# KiCad board panel.kicad_pcb (continued)
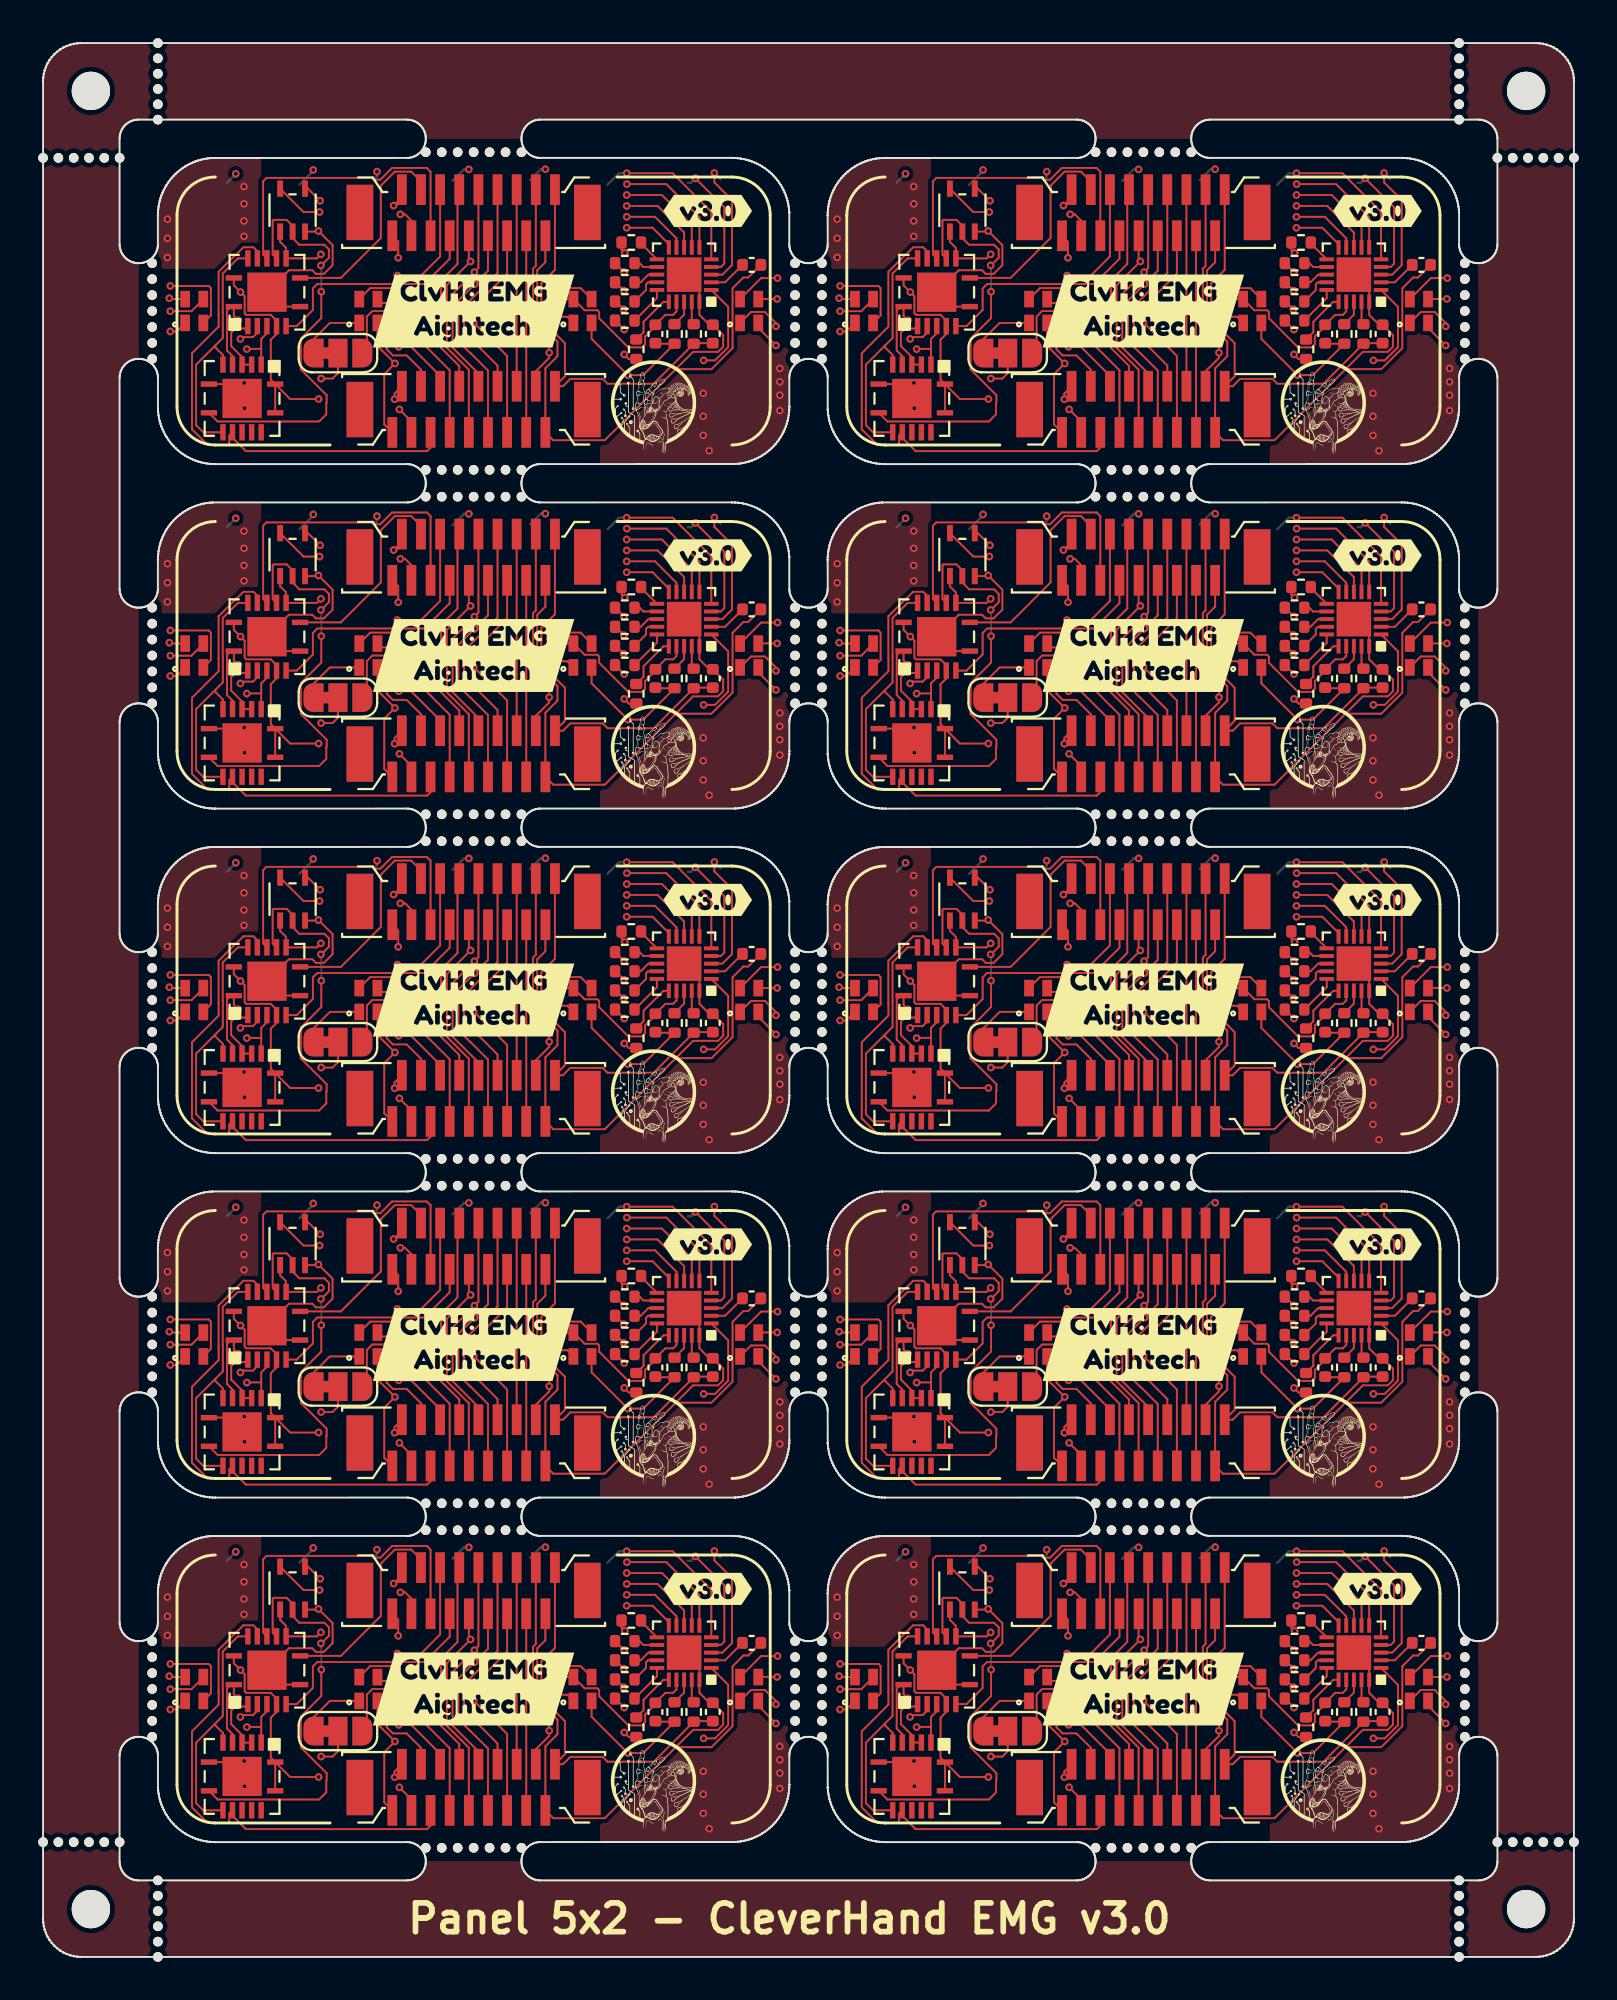
[diagram p0: board, top side]
## Routing (per net, layer and track width the routed paths; a pad name or vN(x,y) marks a point on that pad's centre or on a via; arc(x,y) is an arc through that point) (continued)
  In2.Cu w0.1: v1(18.51,69.85) 16.97,71.39 14.1,71.39 11.15,68.44 11.15,67.1 10.59,66.54 v1(10.31,66.54)
Board_2-/S2: length 16.7
  Front w0.1: J2#6.14 20.25,75.28 20.05,75.47 18.24,75.47 17.62,74.86 17.28,74.86 17.18,74.95 11.67,74.95 11.5,74.78 11.5,70.95 U2#4.11
Board_2-/S3: length 10.9
  Front w0.1: J2#6.15 19.75,74.77 19.24,75.28 18.38,75.28 17.65,74.55 17.65,71.82 15.56,69.73 U2#4.8
Board_2-/SCK: length 20.2
  Front w0.1: v1(30.36,70.04) 29.9,70.5 R5#5.2 ; J2#6.10 22.25,70.68 v1(22.34,70.59) 21.1,69.35 21.1,66.08 22.25,64.93 J1#9.9
  In2.Cu w0.1: v1(22.34,70.59) 22.37,70.56 28.34,70.56 28.86,70.04 v1(30.36,70.04)
Board_2-/SDI: length 20.2
  Front w0.1: J2#6.9 22.75,70.24 v1(22.54,70.03) 21.4,68.89 21.4,66.09 22.75,64.74 J1#9.10 ; R4#4.2 29.91,69.5 v1(30.35,69.06)
  In2.Cu w0.1: v1(22.54,70.03) 28.37,70.03 29.34,69.06 v1(30.35,69.06)
Board_2-/SDO: length 20.5
  Front w0.1: J1#9.11 23.25,64.89 22.34,65.8 22.33,65.8 21.7,66.43 21.7,68.55 v1(22.56,69.41) 23.25,70.1 J2#6.8 ; v1(30.34,68.09) 29.93,68.5 R3#6.2
  In2.Cu w0.1: v1(22.56,69.41) 27.72,69.41 29.04,68.09 v1(30.34,68.09)
Board_2-GND: length 29.1
  Front w0.1: U4#7.15 10.4,64.13 v1(10.51,64.24) ; U4#7.15 9.65,64.18 U4#7.7 ; U4#7.15 10.4,63.05 v1(10.53,62.92) ; v1(38.38,69.72) 37.52,69.72 D4#8.4 ; v1(18.5,68.99) 18.3,69.19 17.1,69.19 D2.4 ; v1(26.5,68.3) 26.82,68.62 D3#2.4 28.3,68.04 28.97,68.04 29.06,67.95 29.06,67.62 30.58,66.1 31.3,66.1 31.46,66.26 31.46,66.67 32,67.21 C2#9.2 32.52,67.8 32.93,67.8 33.1,67.97 U1#9.17 ; 7.42,68.62 6.64,68.62 v1(6.6,68.67) ; J1#9.2 18.37,63.69 v1(18.37,63.39) ; U5#6.3 14.36,72.15 v1(14.39,72.18) 15.13,71.44 15.13,70.4 14.67,69.94 14.26,69.94 14.07,70.13 12.85,70.13 U2#4.15 12.45,68.23 13.11,68.23 ; v1(18.32,73.51) 18.75,73.94 J2#6.17
  vias: v1(6.5,72.8) v1(6.5,71.8) v1(6.5,70.8) v1(10.5,74.5) v1(10.5,73.6) v1(10.5,72.7) v1(10.5,71.9) v1(34.5,63.7) v1(34.5,62.5) v1(34.5,61.5) v1(34.81,60.7) v1(38.5,65) v1(38.5,64.3) v1(38.5,63.6) v1(38.5,62.8)
Board_2-GNDA: length 35.9
  Front w0.1: J2#6.2 26.25,70.55 25.82,70.12 25.82,67.46 26.88,66.4 26.88,65.64 26.25,65.01 J1#9.17 26.66,61.25 29.35,61.25 33.97,65.87 35.27,65.87 35.54,66.13 35.54,66.74 C1#5.1 34.82,67.28 34.3,67.8 U1#9.20 34.3,69.1 U1#9.21 ; 33.08,64.96 34.93,64.96 36.03,66.06 36.03,69.19 36.6,69.75 36.85,69.75 C3#5.2
Board_2-Net-(D1-Pad3): length 13.4
  Front w0.1: v1(6.65,67.99) 7.76,67.99 8.38,68.61 D1#2.3 ; JP1#5.2 15.41,64.75 15.13,64.47 v1(14.53,64.47)
  In2.Cu w0.1: v1(6.65,67.99) 9.98,64.66 14.34,64.66 v1(14.53,64.47)
Board_2-Net-(D2-Pad1): length 3.5
  Front w0.1: JP1#5.1 14.11,66.5 14.99,67.38 D2.1
Board_2-Net-(D2-Pad3): length 10.8
  Front w0.1: v1(26.5,67.7) 27.39,67.7 D3#2.1 ; v1(18.61,68.42) 17.68,68.42 D2.3
  In2.Cu w0.1: v1(26.5,67.7) 26.2,68 19.03,68 v1(18.61,68.42)
Board_2-Net-(D3-Pad3): length 18.2
  Front w0.1: D4#8.1 37,67.95 37.72,67.95 38.3,67.37 v1(38.3,67.2) ; 28.66,68.62 28.09,69.19 26.79,69.19 v1(26.5,68.9)
  In2.Cu w0.1: v1(26.5,68.9) 27.88,67.52 31.14,67.52 31.98,68.36 37.14,68.36 v1(38.3,67.2)
Board_2-Net-(J1-Pad8): length 11.1
  Front w0.1: J1#9.8 21.75,65.12 20.8,66.07 20.8,69.6 21.66,70.46 21.66,74.25 J2#6.11
Board_2-Net-(J1-Pad14): length 10.3
  Front w0.1: J1#9.14 J2#6.5
Board_2-Net-(J1-Pad15): length 10.3
  Front w0.1: J1#9.15 J2#6.4
Board_2-Net-(R1-Pad1): length 2.8
  Front w0.1: R1#9.1 31.38,66.89 31.38,67.44 32.42,68.48 U1#9.16
Board_2-Net-(R2-Pad1): length 2.1
  Front w0.1: R2#5.1 32.08,68.67 U1#9.15
Board_2-Net-(R3-Pad1): length 1.8
  Front w0.1: U1#9.14 31.62,69.5 31.51,69.39 31.51,69.1 R3#6.1
Board_2-Net-(R4-Pad1): length 1.3
  Front w0.1: R4#4.1 31.23,69.5 31.63,69.9 U1#9.13
Board_2-Net-(R5-Pad1): length 1.3
  Front w0.1: U1#9.12 31.37,70.3 31.17,70.5 R5#5.1
Board_2-Net-(R6-Pad1): length 1.2
  Front w0.1: U1#9.11 31.25,71.53 R6#5.1
Board_2-Net-(R7-Pad1): length 1.2
  Front w0.1: R7#2.1 33.9,67.41 U1#9.19
Board_2-Net-(R8-Pad1): length 1.4
  Front w0.1: U1#9.18 33.5,67.81 R8#5.1
Board_2-Net-(U1-Pad2): length 2
  Front w0.1: U1#9.2 35.64,69.5 C3#5.1
Board_3-+3.3V: length 77.7
  Front w0.1: v1(49.45,73.17) 48.61,73.17 U5#9.5 ; U4#10.1 U4#10.14 ; U4#10.1 47.91,63.4 v1(49.4,63.4) ; U4#10.1 46.9,64.41 46.9,66.5 47.2,66.8 47.2,67.5 46.9,67.8 45.62,67.8 45.53,67.88 45.53,68.78 v1(45.32,68.99) 44.97,69.34 U2#2.14 ; D2#9.2 52.48,66.17 v1(53.39,65.26) 52.83,64.7 52.83,62.08 J1#3.1 ; J2.18 53.56,71.62 v1(53.56,70.78) ; v1(73.3,66.2) 72.35,67.15 72.35,67.35 ; C2#5.1 67.03,66.29 R8#4.2 66.36,64.65 v1(65.56,64.65) 63.66,66.55 D3.2 ; D1#7.2 43.77,67.77 43.77,69.19 43.66,69.31 v1(41.65,69.31)
  In2.Cu w0.1: v1(49.4,63.4) 51.53,63.4 v1(53.39,65.26) 53.39,64.09 54.36,63.12 64.3,63.12 65.56,64.38 v1(65.56,64.65) 65.58,64.63 71.73,64.63 v1(73.3,66.2) ; v1(41.65,69.31) 45,69.31 v1(45.32,68.99) 45.32,69.04 v1(49.45,73.17) 51.17,73.17 v1(53.56,70.78)
Board_3-+3.3VA: length 20.7
  Front w0.1: C1#8.2 69.03,66.32 R7#9.2 66.91,64.2 64.5,64.2 64.25,64.45 62.55,64.45 62.17,64.07 J1#3.18 62.27,64.59 62.27,66.32 61.04,67.55 61.04,69.44 61.75,70.15 J2.1
Board_3-/A0: length 17.8
  Front w0.1: J1#3.7 56.25,64.9 54.45,66.7 v1(53.43,66.7) ; 46.4,66.02 45.66,66.02 v1(45.65,66.01) ; 46.4,66.02 46.4,66.54 46.7,66.84 U2#2.4 ; 46.4,66.02 U4#10.2
  In2.Cu w0.1: v1(53.43,66.7) 51.45,66.7 50.85,66.1 45.74,66.1 v1(45.65,66.01)
Board_3-/A1: length 18.5
  Front w0.1: v1(53.59,66.13) 54.24,66.13 55.75,64.62 J1#3.6 ; v1(45.2,67.51) 44.97,67.74 U2#2.1 44.82,68.23 44.61,68.02 44.61,65.94 44.9,65.65 U4#10.5
  In2.Cu w0.1: v1(53.59,66.13) 52.04,66.13 51.31,65.4 45.39,65.4 44.88,65.91 44.88,67.19 v1(45.2,67.51)
Board_3-/A2: length 26.6
  Front w0.1: J1#3.5 55.25,60.86 55.07,60.68 45.6,60.68 44.9,61.38 U4#10.10 44.73,61.49 44.73,61.05 44.68,61 43.6,61 42.78,61.82 42.78,65.79 44.18,67.19 44.18,67.85 44.17,67.85 44.17,70.05 45.09,70.97 45.11,70.97 45.47,71.33 45.99,71.33 46.2,71.12 U2#2.12
Board_3-/A3: length 16.2
  Front w0.1: v1(53.63,67.28) 53.25,67.28 53.21,67.24 53.21,67.24 52.96,66.99 52.96,66 53.28,65.68 54,65.68 54.75,64.93 J1#3.4 ; v1(49.52,70.96) 49.31,70.75 U2#2.9 47.7,71.3 47.39,71.61 47.39,72.01
  In2.Cu w0.1: v1(53.63,67.28) 53.58,67.23 50.03,67.23 49.02,68.24 49.02,70.47 49.51,70.96 v1(49.52,70.96)
Board_3-/carry0: length 3.4
  Front w0.1: U2#2.2 45.58,67.09 45.05,67.09 44.83,66.87 44.83,66.17 45.4,65.6 U4#10.4 U4#10.3
Board_3-/carry1: length 12.9
  Front w0.1: 44,66.2 44.39,66.59 44.39,67.94 44.39,67.94 44.39,69.96 45.18,70.75 U2#2.13 ; 44,66.2 44,66.1 44.4,65.7 U4#10.6 ; 44,66.2 43,65.2 43,62.03 43.37,61.66 U4#10.9
Board_3-/carry2: length 22.5
  Front w0.1: U2#2.10 47,70.95 47,72.71 47.05,72.76 47.73,72.76 48.04,72.45 48.04,72.01 ; U4#10.8 44.12,62.23 49.43,62.23 49.8,62.6 49.8,63.21 49.82,63.23 49.82,63.6 48.47,64.95 48.47,66.56 49.54,67.63 v1(49.54,69.01) ; v1(49.52,70.38) 49.53,70.38 49.94,70.79 49.94,71.22 49.7,71.46 48.39,71.46 48.04,71.81 U5#9.2
  Back w0.1: v1(49.54,69.01) 49.54,70.36 v1(49.52,70.38)
Board_3-/CH0: length 6.9
  Front w0.1: U1#6.3 70.5,69.9 71,70.4 71,73.8 70.08,74.72 v1(70.08,75.21)
  Back w0.127: v1(70.08,75.21) 70.4,74.89
Board_3-/CH1: length 6.3
  Front w0.1: v1(69.09,74.93) 70.6,73.42 70.6,70.47 70.43,70.3 U1#6.4
  Back w0.127: 68.7,74.7 68.86,74.7 v1(69.09,74.93)
Board_3-/CH2: length 9
  Front w0.1: U1#6.5 69.92,73.18 67.9,75.2 v1(65.5,75.2)
  Back w0.127: 64.5,74.6 65.1,75.2 v1(65.5,75.2)
Board_3-/CH3: length 11.7
  Front w0.1: U1#6.6 69.3,72.9 67.57,74.63 v1(65.51,74.63)
  In2.Cu w0.1: v1(65.51,74.63) 65.48,74.6 62.06,74.6 v1(61.25,75.41)
  Back w0.127: 60.45,74.85 61.01,75.41 v1(61.25,75.41)
Board_3-/CH4: length 15.2
  Front w0.1: v1(65.5,74.06) 67.34,74.06 68.9,72.5 U1#6.7
  In2.Cu w0.1: v1(65.5,74.06) 65.44,74 61.67,74 60.21,75.46 57.31,75.46 v1(57.25,75.4)
  Back w0.127: v1(57.25,75.4) 57,75.4 56.4,74.8
Board_3-/CH5: length 18.6
  Front w0.1: v1(65.5,73.49) 67.11,73.49 68.5,72.1 U1#6.8
  In2.Cu w0.1: v1(65.5,73.49) 65.41,73.4 61.8,73.4 60.24,74.96 52.77,74.96 v1(52.45,75.28)
  Back w0.127: 52.39,74.97 52.45,75.03 v1(52.45,75.28)
Board_3-/CH6: length 22.1
  Front w0.1: v1(65.5,72.92) 66.98,72.92 68.1,71.8 U1#6.9
  In2.Cu w0.1: v1(65.5,72.92) 65.38,72.8 61.6,72.8 59.66,74.74 49.75,74.74 v1(49.12,75.37)
  Back w0.127: 48.4,74.6 49.12,75.32 v1(49.12,75.37)
Board_3-/CH7: length 25.2
  Front w0.1: v1(65.5,72.35) 66.85,72.35 67.7,71.5 U1#6.10
  In2.Cu w0.1: v1(65.5,72.35) 65.35,72.2 61.25,72.2 58.92,74.53 49.17,74.53 48.4,75.3 45.2,75.3 v1(45.07,75.17)
  Back w0.127: v1(45.07,75.17) 44.6,74.7
Board_3-/CH_REF: length 24.4
  Front w0.1: J1#3.16 60.75,64.85 61.45,65.55 v1(61.45,65.82) 61.45,66.52 60.61,67.37 60.61,70.21 60.75,70.36 J2.3 ; U1#6.1 70.8,68.22 70.8,66.11 70.11,65.42 v1(69.52,65.42)
  In2.Cu w0.1: v1(61.45,65.82) 62.19,65.08 69.18,65.08 v1(69.52,65.42)
Board_3-/cs_adc: length 19
  Front w0.1: R6#7.2 65.23,71.2 v1(65.4,71.03) ; v1(49.48,73.76) 48.85,74.39 U5#9.4
  In2.Cu w0.1: v1(65.4,71.03) 65.05,71.38 56.15,71.38 53.6,73.93 53.15,73.93 52.82,73.6 49.64,73.6 v1(49.48,73.76)
Board_3-/IRQ: length 20.4
  Front w0.1: J2.6 59.25,69.95 57.5,68.2 v1(57.5,67.4) 59.25,65.65 J1#3.13 ; v1(65.37,67.03) 64.9,67.5 R2#8.2
  In2.Cu w0.1: v1(65.37,67.03) 65.2,67.2 57.7,67.2 v1(57.5,67.4)
Board_3-/MCLK: length 20.6
  Front w0.1: v1(65.37,65.73) 65.61,65.49 R1#4.2 ; J1#3.12 58.75,65.15 v1(57.5,66.4) 57,66.9 57,68.24 58.75,69.99 J2.7
  In2.Cu w0.1: v1(65.37,65.73) 64.7,66.4 v1(57.5,66.4)
Board_3-/NEO_IN: length 17.9
  Front w0.1: v1(53.62,62.86) 54.25,62.23 J1#3.3 ; D1#7.1 41.98,66.93 v1(41.65,66.93)
  In2.Cu w0.1: v1(41.65,66.93) 42.22,66.93 48.43,60.72 51.48,60.72 v1(53.62,62.86)
Board_3-/NEO_OUT: length 34.6
  Front w0.1: v1(53.67,73.05) 53.92,73.05 54.25,72.72 J2.16 ; JP1#4.3 51.92,66.01 51.92,67.71 52.21,68 53.03,68 53.19,67.84 v1(53.41,67.84) ; v1(73.36,68.63) 72.38,68.63 D4#3.3
  In2.Cu w0.1: v1(53.41,67.84) 52.96,68.29 52.96,69.27 53.1,69.41 54.1,69.41 54.49,69.8 54.49,72.23 v1(53.67,73.05) 55.53,71.19 63.54,71.19 64.16,70.57 65.97,70.57 67.89,68.65 73.34,68.65 v1(73.36,68.63)
Board_3-/S0: length 11.9
  Front w0.1: U2#2.6 48.26,67.21 49.1,68.05 49.1,69.18 49.33,69.41 54.93,69.41 56.25,70.73 J2.12
Board_3-/S1: length 19.1
  Front w0.1: v1(53.51,69.85) 54.75,69.85 55.75,70.85 J2.13 ; v1(45.31,66.54) 45.41,66.64 45.97,66.64 46.2,66.87 U2#2.3
  In2.Cu w0.1: v1(53.51,69.85) 51.97,71.39 49.1,71.39 46.15,68.44 46.15,67.1 45.59,66.54 v1(45.31,66.54)
Board_3-/S2: length 16.7
  Front w0.1: J2.14 55.25,75.28 55.05,75.47 53.24,75.47 52.62,74.86 52.28,74.86 52.18,74.95 46.67,74.95 46.5,74.78 46.5,70.95 U2#2.11
Board_3-/S3: length 10.9
  Front w0.1: J2.15 54.75,74.77 54.24,75.28 53.38,75.28 52.65,74.55 52.65,71.82 50.56,69.73 U2#2.8
Board_3-/SCK: length 20.2
  Front w0.1: v1(65.36,70.04) 64.9,70.5 R5.2 ; J2.10 57.25,70.68 v1(57.34,70.59) 56.1,69.35 56.1,66.08 57.25,64.93 J1#3.9
  In2.Cu w0.1: v1(57.34,70.59) 57.37,70.56 63.34,70.56 63.86,70.04 v1(65.36,70.04)
Board_3-/SDI: length 20.2
  Front w0.1: J2.9 57.75,70.24 v1(57.54,70.03) 56.4,68.89 56.4,66.09 57.75,64.74 J1#3.10 ; R4#6.2 64.91,69.5 v1(65.35,69.06)
  In2.Cu w0.1: v1(57.54,70.03) 63.37,70.03 64.34,69.06 v1(65.35,69.06)
Board_3-/SDO: length 20.5
  Front w0.1: J1#3.11 58.25,64.89 57.34,65.8 57.33,65.8 56.7,66.43 56.7,68.55 v1(57.56,69.41) 58.25,70.1 J2.8 ; v1(65.34,68.09) 64.93,68.5 R3#7.2
  In2.Cu w0.1: v1(57.56,69.41) 62.72,69.41 64.04,68.09 v1(65.34,68.09)
Board_3-GND: length 29.1
  Front w0.1: U4#10.15 45.4,64.13 v1(45.51,64.24) ; U4#10.15 44.65,64.18 U4#10.7 ; U4#10.15 45.4,63.05 v1(45.53,62.92) ; v1(73.38,69.72) 72.52,69.72 71.42,68.62 ; v1(53.5,68.99) 53.3,69.19 52.1,69.19 D2#9.4 ; v1(61.5,68.3) 61.82,68.62 62.72,68.62 63.3,68.04 63.97,68.04 64.06,67.95 64.06,67.62 65.58,66.1 66.3,66.1 66.46,66.26 66.46,66.67 67,67.21 C2#5.2 67.52,67.8 67.93,67.8 68.1,67.97 U1#6.17 ; D1#7.4 41.64,68.62 v1(41.6,68.67) ; J1#3.2 53.37,63.69 v1(53.37,63.39) ; U5#9.3 49.36,72.15 v1(49.39,72.18) 50.13,71.44 50.13,70.4 49.67,69.94 49.26,69.94 49.07,70.13 47.85,70.13 U2#2.15 47.45,68.23 48.11,68.23 ; v1(53.32,73.51) 53.75,73.94 J2.17
  vias: v1(41.5,72.8) v1(41.5,71.8) v1(41.5,70.8) v1(45.5,74.5) v1(45.5,73.6) v1(45.5,72.7) v1(45.5,71.9) v1(69.5,63.7) v1(69.5,62.5) v1(69.5,61.5) v1(69.81,60.7) v1(73.5,65) v1(73.5,64.3) v1(73.5,63.6) v1(73.5,62.8)
Board_3-GNDA: length 35.9
  Front w0.1: J2.2 61.25,70.55 60.82,70.12 60.82,67.46 61.88,66.4 61.88,65.64 61.25,65.01 J1#3.17 61.66,61.25 64.35,61.25 68.97,65.87 70.27,65.87 70.54,66.13 70.54,66.74 C1#8.1 69.82,67.28 69.3,67.8 U1#6.20 69.3,69.1 U1#6.21 ; 68.08,64.96 69.93,64.96 71.03,66.06 71.03,69.19 71.6,69.75 71.85,69.75 C3#6.2
Board_3-Net-(D1-Pad3): length 13.4
  Front w0.1: v1(41.65,67.99) 42.76,67.99 43.38,68.61 D1#7.3 ; JP1#4.2 50.41,64.75 50.13,64.47 v1(49.53,64.47)
  In2.Cu w0.1: v1(41.65,67.99) 44.98,64.66 49.34,64.66 v1(49.53,64.47)
Board_3-Net-(D2-Pad1): length 3.5
  Front w0.1: JP1#4.1 49.11,66.5 49.99,67.38 D2#9.1
Board_3-Net-(D2-Pad3): length 10.8
  Front w0.1: v1(61.5,67.7) 62.39,67.7 62.72,67.38 ; v1(53.61,68.42) 52.68,68.42 D2#9.3
  In2.Cu w0.1: v1(61.5,67.7) 61.2,68 54.03,68 v1(53.61,68.42)
Board_3-Net-(D3-Pad3): length 18.2
  Front w0.1: 71.42,67.38 72,67.95 72.72,67.95 73.3,67.37 v1(73.3,67.2) ; D3.3 63.09,69.19 61.79,69.19 v1(61.5,68.9)
  In2.Cu w0.1: v1(61.5,68.9) 62.88,67.52 66.14,67.52 66.98,68.36 72.14,68.36 v1(73.3,67.2)
Board_3-Net-(J1-Pad8): length 11.1
  Front w0.1: J1#3.8 56.75,65.12 55.8,66.07 55.8,69.6 56.66,70.46 56.66,74.25 J2.11
Board_3-Net-(J1-Pad14): length 10.3
  Front w0.1: J1#3.14 J2.5
Board_3-Net-(J1-Pad15): length 10.3
  Front w0.1: J1#3.15 J2.4
Board_3-Net-(R1-Pad1): length 2.8
  Front w0.1: R1#4.1 66.38,66.89 66.38,67.44 67.42,68.48 U1#6.16
Board_3-Net-(R2-Pad1): length 2.1
  Front w0.1: R2#8.1 67.08,68.67 U1#6.15
Board_3-Net-(R3-Pad1): length 1.8
  Front w0.1: U1#6.14 66.62,69.5 66.51,69.39 66.51,69.1 R3#7.1
Board_3-Net-(R4-Pad1): length 1.3
  Front w0.1: R4#6.1 66.23,69.5 66.63,69.9 U1#6.13
Board_3-Net-(R5-Pad1): length 1.3
  Front w0.1: U1#6.12 66.37,70.3 66.17,70.5 R5.1
Board_3-Net-(R6-Pad1): length 1.2
  Front w0.1: U1#6.11 66.25,71.53 R6#7.1
Board_3-Net-(R7-Pad1): length 1.2
  Front w0.1: R7#9.1 68.9,67.41 U1#6.19
Board_3-Net-(R8-Pad1): length 1.4
  Front w0.1: U1#6.18 68.5,67.81 R8#4.1
Board_3-Net-(U1-Pad2): length 2
  Front w0.1: U1#6.2 70.64,69.5 C3#6.1
Board_4-+3.3V: length 77.7
  Front w0.1: v1(14.45,55.17) 13.61,55.17 U5#5.5 ; U4#2.1 U4#2.14 ; U4#2.1 12.91,45.4 v1(14.4,45.4) ; U4#2.1 11.9,46.41 11.9,48.5 12.2,48.8 12.2,49.5 11.9,49.8 10.62,49.8 10.53,49.88 10.53,50.78 v1(10.32,50.99) 9.97,51.34 U2#6.14 ; D2#10.2 17.48,48.17 v1(18.39,47.26) 17.83,46.7 17.83,44.08 J1.1 ; J2#4.18 18.56,53.62 v1(18.56,52.78) ; v1(38.3,48.2) 37.35,49.15 37.35,49.35 ; C2#2.1 32.03,48.29 R8.2 31.36,46.65 v1(30.56,46.65) 28.66,48.55 28.66,49.38 ; D1#6.2 8.77,49.77 8.77,51.19 8.66,51.31 v1(6.65,51.31)
  In2.Cu w0.1: v1(14.4,45.4) 16.53,45.4 v1(18.39,47.26) 18.39,46.09 19.36,45.12 29.3,45.12 30.56,46.38 v1(30.56,46.65) 30.58,46.63 36.73,46.63 v1(38.3,48.2) ; v1(6.65,51.31) 10,51.31 v1(10.32,50.99) 10.32,51.04 v1(14.45,55.17) 16.17,55.17 v1(18.56,52.78)
Board_4-+3.3VA: length 20.7
  Front w0.1: C1#6.2 34.03,48.32 R7#7.2 31.91,46.2 29.5,46.2 29.25,46.45 27.55,46.45 27.17,46.07 J1.18 27.27,46.59 27.27,48.32 26.04,49.55 26.04,51.44 26.75,52.15 J2#4.1
Board_4-/A0: length 17.8
  Front w0.1: J1.7 21.25,46.9 19.45,48.7 v1(18.43,48.7) ; 11.4,48.02 10.66,48.02 v1(10.65,48.01) ; 11.4,48.02 11.4,48.54 11.7,48.84 U2#6.4 ; 11.4,48.02 U4#2.2
  In2.Cu w0.1: v1(18.43,48.7) 16.45,48.7 15.85,48.1 10.74,48.1 v1(10.65,48.01)
Board_4-/A1: length 18.5
  Front w0.1: v1(18.59,48.13) 19.24,48.13 20.75,46.62 J1.6 ; v1(10.2,49.51) 9.97,49.74 U2#6.1 9.82,50.23 9.61,50.02 9.61,47.94 9.9,47.65 U4#2.5
  In2.Cu w0.1: v1(18.59,48.13) 17.04,48.13 16.31,47.4 10.39,47.4 9.88,47.91 9.88,49.19 v1(10.2,49.51)
Board_4-/A2: length 26.6
  Front w0.1: J1.5 20.25,42.86 20.07,42.68 10.6,42.68 9.9,43.38 U4#2.10 9.73,43.49 9.73,43.05 9.68,43 8.6,43 7.78,43.82 7.78,47.79 9.18,49.19 9.18,49.85 9.17,49.85 9.17,52.05 10.09,52.97 10.11,52.97 10.47,53.33 10.99,53.33 11.2,53.12 U2#6.12
Board_4-/A3: length 16.2
  Front w0.1: v1(18.63,49.28) 18.25,49.28 18.21,49.24 18.21,49.24 17.96,48.99 17.96,48 18.28,47.68 19,47.68 19.75,46.93 J1.4 ; v1(14.52,52.96) 14.31,52.75 U2#6.9 12.7,53.3 12.39,53.61 12.39,54.01
  In2.Cu w0.1: v1(18.63,49.28) 18.58,49.23 15.03,49.23 14.02,50.24 14.02,52.47 14.51,52.96 v1(14.52,52.96)
Board_4-/carry0: length 3.4
  Front w0.1: U2#6.2 10.58,49.09 10.05,49.09 9.83,48.87 9.83,48.17 10.4,47.6 U4#2.4 U4#2.3
Board_4-/carry1: length 12.9
  Front w0.1: 9,48.2 9.39,48.59 9.39,49.94 9.39,49.94 9.39,51.96 10.18,52.75 U2#6.13 ; 9,48.2 9,48.1 9.4,47.7 U4#2.6 ; 9,48.2 8,47.2 8,44.03 8.37,43.66 U4#2.9
Board_4-/carry2: length 22.5
  Front w0.1: U2#6.10 12,52.95 12,54.71 12.05,54.76 12.73,54.76 13.04,54.45 13.04,54.01 ; U4#2.8 9.12,44.23 14.43,44.23 14.8,44.6 14.8,45.21 14.82,45.23 14.82,45.6 13.47,46.95 13.47,48.56 14.54,49.63 v1(14.54,51.01) ; v1(14.52,52.38) 14.53,52.38 14.94,52.79 14.94,53.22 14.7,53.46 13.39,53.46 13.04,53.81 U5#5.2
  Back w0.1: v1(14.54,51.01) 14.54,52.36 v1(14.52,52.38)
Board_4-/CH0: length 6.9
  Front w0.1: U1#4.3 35.5,51.9 36,52.4 36,55.8 35.08,56.72 v1(35.08,57.21)
  Back w0.127: v1(35.08,57.21) 35.4,56.89
Board_4-/CH1: length 6.3
  Front w0.1: v1(34.09,56.93) 35.6,55.42 35.6,52.47 35.43,52.3 U1#4.4
  Back w0.127: 33.7,56.7 33.86,56.7 v1(34.09,56.93)
Board_4-/CH2: length 9
  Front w0.1: U1#4.5 34.92,55.18 32.9,57.2 v1(30.5,57.2)
  Back w0.127: 29.5,56.6 30.1,57.2 v1(30.5,57.2)
Board_4-/CH3: length 11.7
  Front w0.1: U1#4.6 34.3,54.9 32.57,56.63 v1(30.51,56.63)
  In2.Cu w0.1: v1(30.51,56.63) 30.48,56.6 27.06,56.6 v1(26.25,57.41)
  Back w0.127: 25.45,56.85 26.01,57.41 v1(26.25,57.41)
Board_4-/CH4: length 15.2
  Front w0.1: v1(30.5,56.06) 32.34,56.06 33.9,54.5 U1#4.7
  In2.Cu w0.1: v1(30.5,56.06) 30.44,56 26.67,56 25.21,57.46 22.31,57.46 v1(22.25,57.4)
  Back w0.127: v1(22.25,57.4) 22,57.4 21.4,56.8
Board_4-/CH5: length 18.6
  Front w0.1: v1(30.5,55.49) 32.11,55.49 33.5,54.1 U1#4.8
  In2.Cu w0.1: v1(30.5,55.49) 30.41,55.4 26.8,55.4 25.24,56.96 17.77,56.96 v1(17.45,57.28)
  Back w0.127: 17.39,56.97 17.45,57.03 v1(17.45,57.28)
Board_4-/CH6: length 22.1
  Front w0.1: v1(30.5,54.92) 31.98,54.92 33.1,53.8 U1#4.9
  In2.Cu w0.1: v1(30.5,54.92) 30.38,54.8 26.6,54.8 24.66,56.74 14.75,56.74 v1(14.12,57.37)
  Back w0.127: 13.4,56.6 14.12,57.32 v1(14.12,57.37)
Board_4-/CH7: length 25.2
  Front w0.1: v1(30.5,54.35) 31.85,54.35 32.7,53.5 U1#4.10
  In2.Cu w0.1: v1(30.5,54.35) 30.35,54.2 26.25,54.2 23.92,56.53 14.17,56.53 13.4,57.3 10.2,57.3 v1(10.07,57.17)
  Back w0.127: v1(10.07,57.17) 9.6,56.7
Board_4-/CH_REF: length 24.4
  Front w0.1: J1.16 25.75,46.85 26.45,47.55 v1(26.45,47.82) 26.45,48.52 25.61,49.37 25.61,52.21 25.75,52.36 J2#4.3 ; U1#4.1 35.8,50.22 35.8,48.11 35.11,47.42 v1(34.52,47.42)
  In2.Cu w0.1: v1(26.45,47.82) 27.19,47.08 34.18,47.08 v1(34.52,47.42)
Board_4-/cs_adc: length 19
  Front w0.1: R6#8.2 30.23,53.2 v1(30.4,53.03) ; v1(14.48,55.76) 13.85,56.39 U5#5.4
  In2.Cu w0.1: v1(30.4,53.03) 30.05,53.38 21.15,53.38 18.6,55.93 18.15,55.93 17.82,55.6 14.64,55.6 v1(14.48,55.76)
Board_4-/IRQ: length 20.4
  Front w0.1: J2#4.6 24.25,51.95 22.5,50.2 v1(22.5,49.4) 24.25,47.65 J1.13 ; v1(30.37,49.03) 29.9,49.5 R2#3.2
  In2.Cu w0.1: v1(30.37,49.03) 30.2,49.2 22.7,49.2 v1(22.5,49.4)
Board_4-/MCLK: length 20.6
  Front w0.1: v1(30.37,47.73) 30.61,47.49 R1#8.2 ; J1.12 23.75,47.15 v1(22.5,48.4) 22,48.9 22,50.24 23.75,51.99 J2#4.7
  In2.Cu w0.1: v1(30.37,47.73) 29.7,48.4 v1(22.5,48.4)
Board_4-/NEO_IN: length 17.9
  Front w0.1: v1(18.62,44.86) 19.25,44.23 J1.3 ; 7.42,49.38 6.98,48.93 v1(6.65,48.93)
  In2.Cu w0.1: v1(6.65,48.93) 7.22,48.93 13.43,42.72 16.48,42.72 v1(18.62,44.86)
Board_4-/NEO_OUT: length 34.6
  Front w0.1: v1(18.67,55.05) 18.92,55.05 19.25,54.72 J2#4.16 ; JP1.3 16.92,48.01 16.92,49.71 17.21,50 18.03,50 18.19,49.84 v1(18.41,49.84) ; v1(38.36,50.63) 37.38,50.63 D4#6.3
  In2.Cu w0.1: v1(18.41,49.84) 17.96,50.29 17.96,51.27 18.1,51.41 19.1,51.41 19.49,51.8 19.49,54.23 v1(18.67,55.05) 20.53,53.19 28.54,53.19 29.16,52.57 30.97,52.57 32.89,50.65 38.34,50.65 v1(38.36,50.63)
Board_4-/S0: length 11.9
  Front w0.1: U2#6.6 13.26,49.21 14.1,50.05 14.1,51.18 14.33,51.41 19.93,51.41 21.25,52.73 J2#4.12
Board_4-/S1: length 19.1
  Front w0.1: v1(18.51,51.85) 19.75,51.85 20.75,52.85 J2#4.13 ; v1(10.31,48.54) 10.41,48.64 10.97,48.64 11.2,48.87 U2#6.3
  In2.Cu w0.1: v1(18.51,51.85) 16.97,53.39 14.1,53.39 11.15,50.44 11.15,49.1 10.59,48.54 v1(10.31,48.54)
Board_4-/S2: length 16.7
  Front w0.1: J2#4.14 20.25,57.28 20.05,57.47 18.24,57.47 17.62,56.86 17.28,56.86 17.18,56.95 11.67,56.95 11.5,56.78 11.5,52.95 U2#6.11
Board_4-/S3: length 10.9
  Front w0.1: J2#4.15 19.75,56.77 19.24,57.28 18.38,57.28 17.65,56.55 17.65,53.82 15.56,51.73 U2#6.8
Board_4-/SCK: length 20.2
  Front w0.1: v1(30.36,52.04) 29.9,52.5 R5#7.2 ; J2#4.10 22.25,52.68 v1(22.34,52.59) 21.1,51.35 21.1,48.08 22.25,46.93 J1.9
  In2.Cu w0.1: v1(22.34,52.59) 22.37,52.56 28.34,52.56 28.86,52.04 v1(30.36,52.04)
Board_4-/SDI: length 20.2
  Front w0.1: J2#4.9 22.75,52.24 v1(22.54,52.03) 21.4,50.89 21.4,48.09 22.75,46.74 J1.10 ; R4#5.2 29.91,51.5 v1(30.35,51.06)
  In2.Cu w0.1: v1(22.54,52.03) 28.37,52.03 29.34,51.06 v1(30.35,51.06)
Board_4-/SDO: length 20.5
  Front w0.1: J1.11 23.25,46.89 22.34,47.8 22.33,47.8 21.7,48.43 21.7,50.55 v1(22.56,51.41) 23.25,52.1 J2#4.8 ; v1(30.34,50.09) 29.93,50.5 R3.2
  In2.Cu w0.1: v1(22.56,51.41) 27.72,51.41 29.04,50.09 v1(30.34,50.09)
Board_4-GND: length 29.1
  Front w0.1: U4#2.15 10.4,46.13 v1(10.51,46.24) ; U4#2.15 9.65,46.18 U4#2.7 ; U4#2.15 10.4,45.05 v1(10.53,44.92) ; v1(38.38,51.72) 37.52,51.72 D4#6.4 ; v1(18.5,50.99) 18.3,51.19 17.1,51.19 D2#10.4 ; v1(26.5,50.3) 26.82,50.62 D3#3.4 28.3,50.04 28.97,50.04 29.06,49.95 29.06,49.62 30.58,48.1 31.3,48.1 31.46,48.26 31.46,48.67 32,49.21 C2#2.2 32.52,49.8 32.93,49.8 33.1,49.97 U1#4.17 ; 7.42,50.62 6.64,50.62 v1(6.6,50.67) ; J1.2 18.37,45.69 v1(18.37,45.39) ; U5#5.3 14.36,54.15 v1(14.39,54.18) 15.13,53.44 15.13,52.4 14.67,51.94 14.26,51.94 14.07,52.13 12.85,52.13 U2#6.15 12.45,50.23 13.11,50.23 ; v1(18.32,55.51) 18.75,55.94 J2#4.17
  vias: v1(6.5,54.8) v1(6.5,53.8) v1(6.5,52.8) v1(10.5,56.5) v1(10.5,55.6) v1(10.5,54.7) v1(10.5,53.9) v1(34.5,45.7) v1(34.5,44.5) v1(34.5,43.5) v1(34.81,42.7) v1(38.5,47) v1(38.5,46.3) v1(38.5,45.6) v1(38.5,44.8)
Board_4-GNDA: length 35.9
  Front w0.1: J2#4.2 26.25,52.55 25.82,52.12 25.82,49.46 26.88,48.4 26.88,47.64 26.25,47.01 J1.17 26.66,43.25 29.35,43.25 33.97,47.87 35.27,47.87 35.54,48.13 35.54,48.74 C1#6.1 34.82,49.28 34.3,49.8 U1#4.20 34.3,51.1 U1#4.21 ; 33.08,46.96 34.93,46.96 36.03,48.06 36.03,51.19 36.6,51.75 36.85,51.75 C3#10.2
Board_4-Net-(D1-Pad3): length 13.4
  Front w0.1: v1(6.65,49.99) 7.76,49.99 8.38,50.61 D1#6.3 ; JP1.2 15.41,46.75 15.13,46.47 v1(14.53,46.47)
  In2.Cu w0.1: v1(6.65,49.99) 9.98,46.66 14.34,46.66 v1(14.53,46.47)
Board_4-Net-(D2-Pad1): length 3.5
  Front w0.1: JP1.1 14.11,48.5 14.99,49.38 D2#10.1
Board_4-Net-(D2-Pad3): length 10.8
  Front w0.1: v1(26.5,49.7) 27.39,49.7 D3#3.1 ; v1(18.61,50.42) 17.68,50.42 D2#10.3
  In2.Cu w0.1: v1(26.5,49.7) 26.2,50 19.03,50 v1(18.61,50.42)
Board_4-Net-(D3-Pad3): length 18.2
  Front w0.1: D4#6.1 37,49.95 37.72,49.95 38.3,49.37 v1(38.3,49.2) ; 28.66,50.62 28.09,51.19 26.79,51.19 v1(26.5,50.9)
  In2.Cu w0.1: v1(26.5,50.9) 27.88,49.52 31.14,49.52 31.98,50.36 37.14,50.36 v1(38.3,49.2)
Board_4-Net-(J1-Pad8): length 11.1
  Front w0.1: J1.8 21.75,47.12 20.8,48.07 20.8,51.6 21.66,52.46 21.66,56.25 J2#4.11
Board_4-Net-(J1-Pad14): length 10.3
  Front w0.1: J1.14 J2#4.5
Board_4-Net-(J1-Pad15): length 10.3
  Front w0.1: J1.15 J2#4.4
Board_4-Net-(R1-Pad1): length 2.8
  Front w0.1: R1#8.1 31.38,48.89 31.38,49.44 32.42,50.48 U1#4.16
Board_4-Net-(R2-Pad1): length 2.1
  Front w0.1: R2#3.1 32.08,50.67 U1#4.15
Board_4-Net-(R3-Pad1): length 1.8
  Front w0.1: U1#4.14 31.62,51.5 31.51,51.39 31.51,51.1 R3.1
Board_4-Net-(R4-Pad1): length 1.3
  Front w0.1: R4#5.1 31.23,51.5 31.63,51.9 U1#4.13
Board_4-Net-(R5-Pad1): length 1.3
  Front w0.1: U1#4.12 31.37,52.3 31.17,52.5 R5#7.1
Board_4-Net-(R6-Pad1): length 1.2
  Front w0.1: U1#4.11 31.25,53.53 R6#8.1
Board_4-Net-(R7-Pad1): length 1.2
  Front w0.1: R7#7.1 33.9,49.41 U1#4.19
Board_4-Net-(R8-Pad1): length 1.4
  Front w0.1: U1#4.18 33.5,49.81 R8.1
Board_4-Net-(U1-Pad2): length 2
  Front w0.1: U1#4.2 35.64,51.5 C3#10.1
Board_5-+3.3V: length 77.7
  Front w0.1: v1(49.45,55.17) 48.61,55.17 U5#10.5 ; U4.1 U4.14 ; U4.1 47.91,45.4 v1(49.4,45.4) ; U4.1 46.9,46.41 46.9,48.5 47.2,48.8 47.2,49.5 46.9,49.8 45.62,49.8 45.53,49.88 45.53,50.78 v1(45.32,50.99) 44.97,51.34 U2#10.14 ; D2#8.2 52.48,48.17 v1(53.39,47.26) 52.83,46.7 52.83,44.08 J1#10.1 ; J2#9.18 53.56,53.62 v1(53.56,52.78) ; v1(73.3,48.2) 72.35,49.15 72.35,49.35 ; C2#7.1 67.03,48.29 R8#6.2 66.36,46.65 v1(65.56,46.65) 63.66,48.55 D3#10.2 ; D1#5.2 43.77,49.77 43.77,51.19 43.66,51.31 v1(41.65,51.31)
  In2.Cu w0.1: v1(49.4,45.4) 51.53,45.4 v1(53.39,47.26) 53.39,46.09 54.36,45.12 64.3,45.12 65.56,46.38 v1(65.56,46.65) 65.58,46.63 71.73,46.63 v1(73.3,48.2) ; v1(41.65,51.31) 45,51.31 v1(45.32,50.99) 45.32,51.04 v1(49.45,55.17) 51.17,55.17 v1(53.56,52.78)
